# KiCad board F02-Func-Decoder-p.kicad_pcb
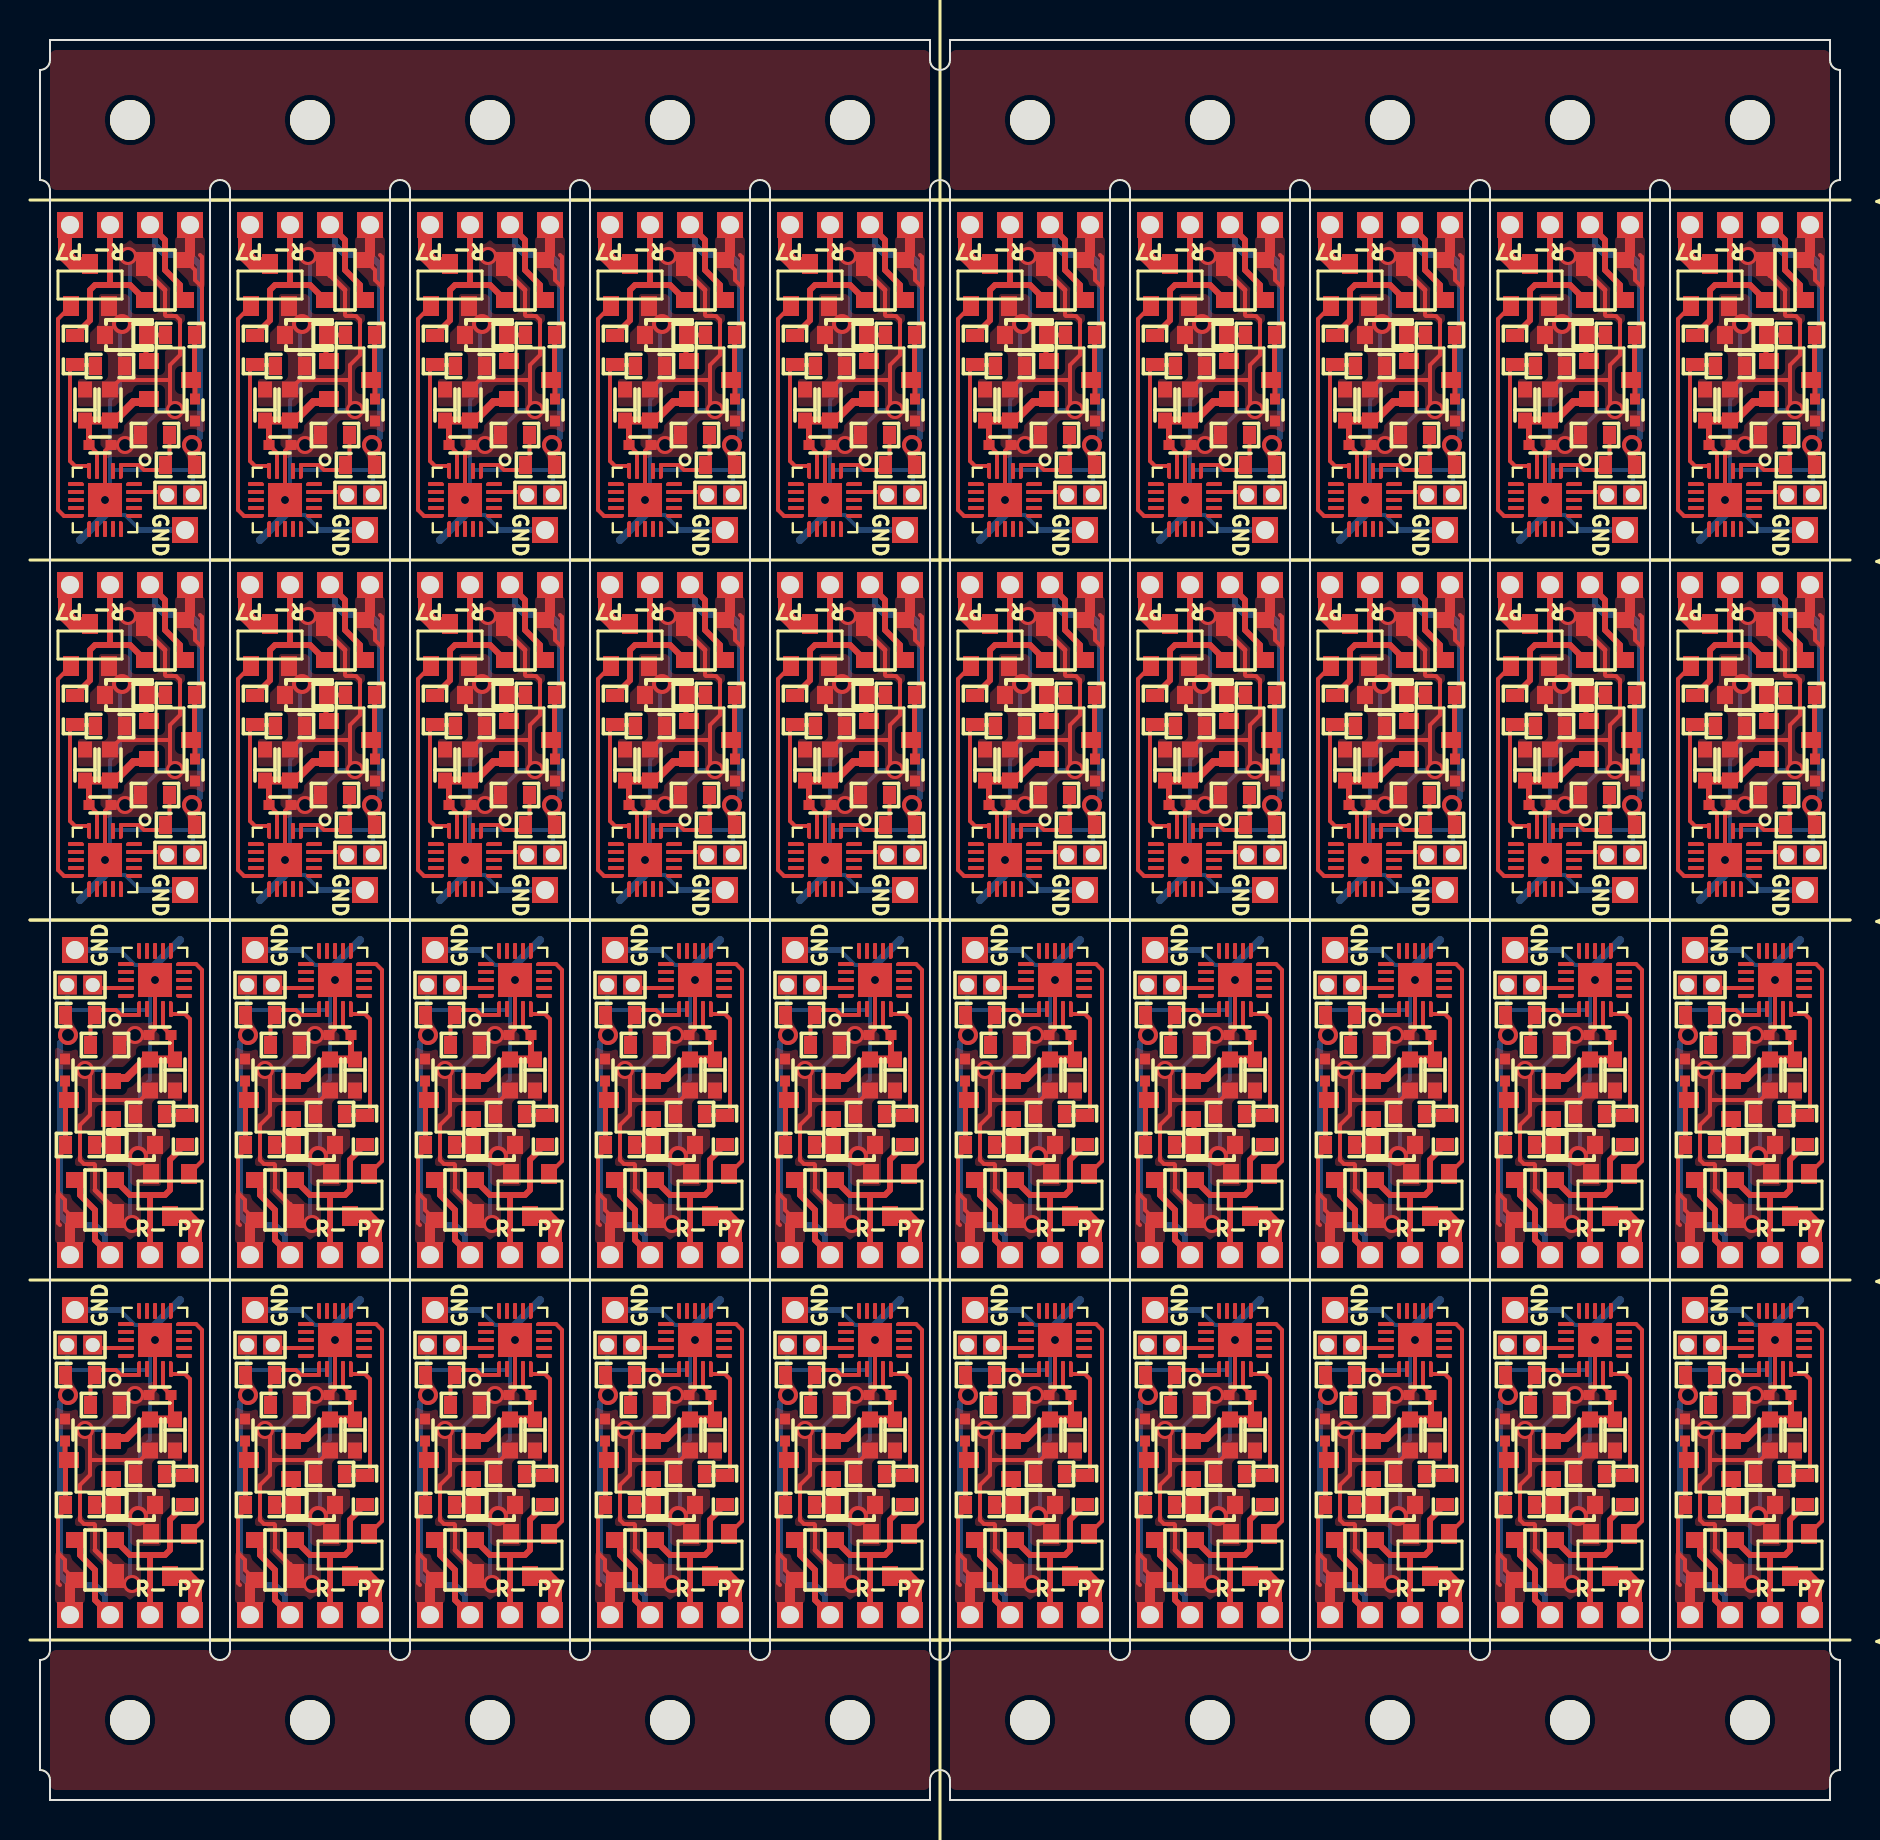
[diagram p0: board, top side]
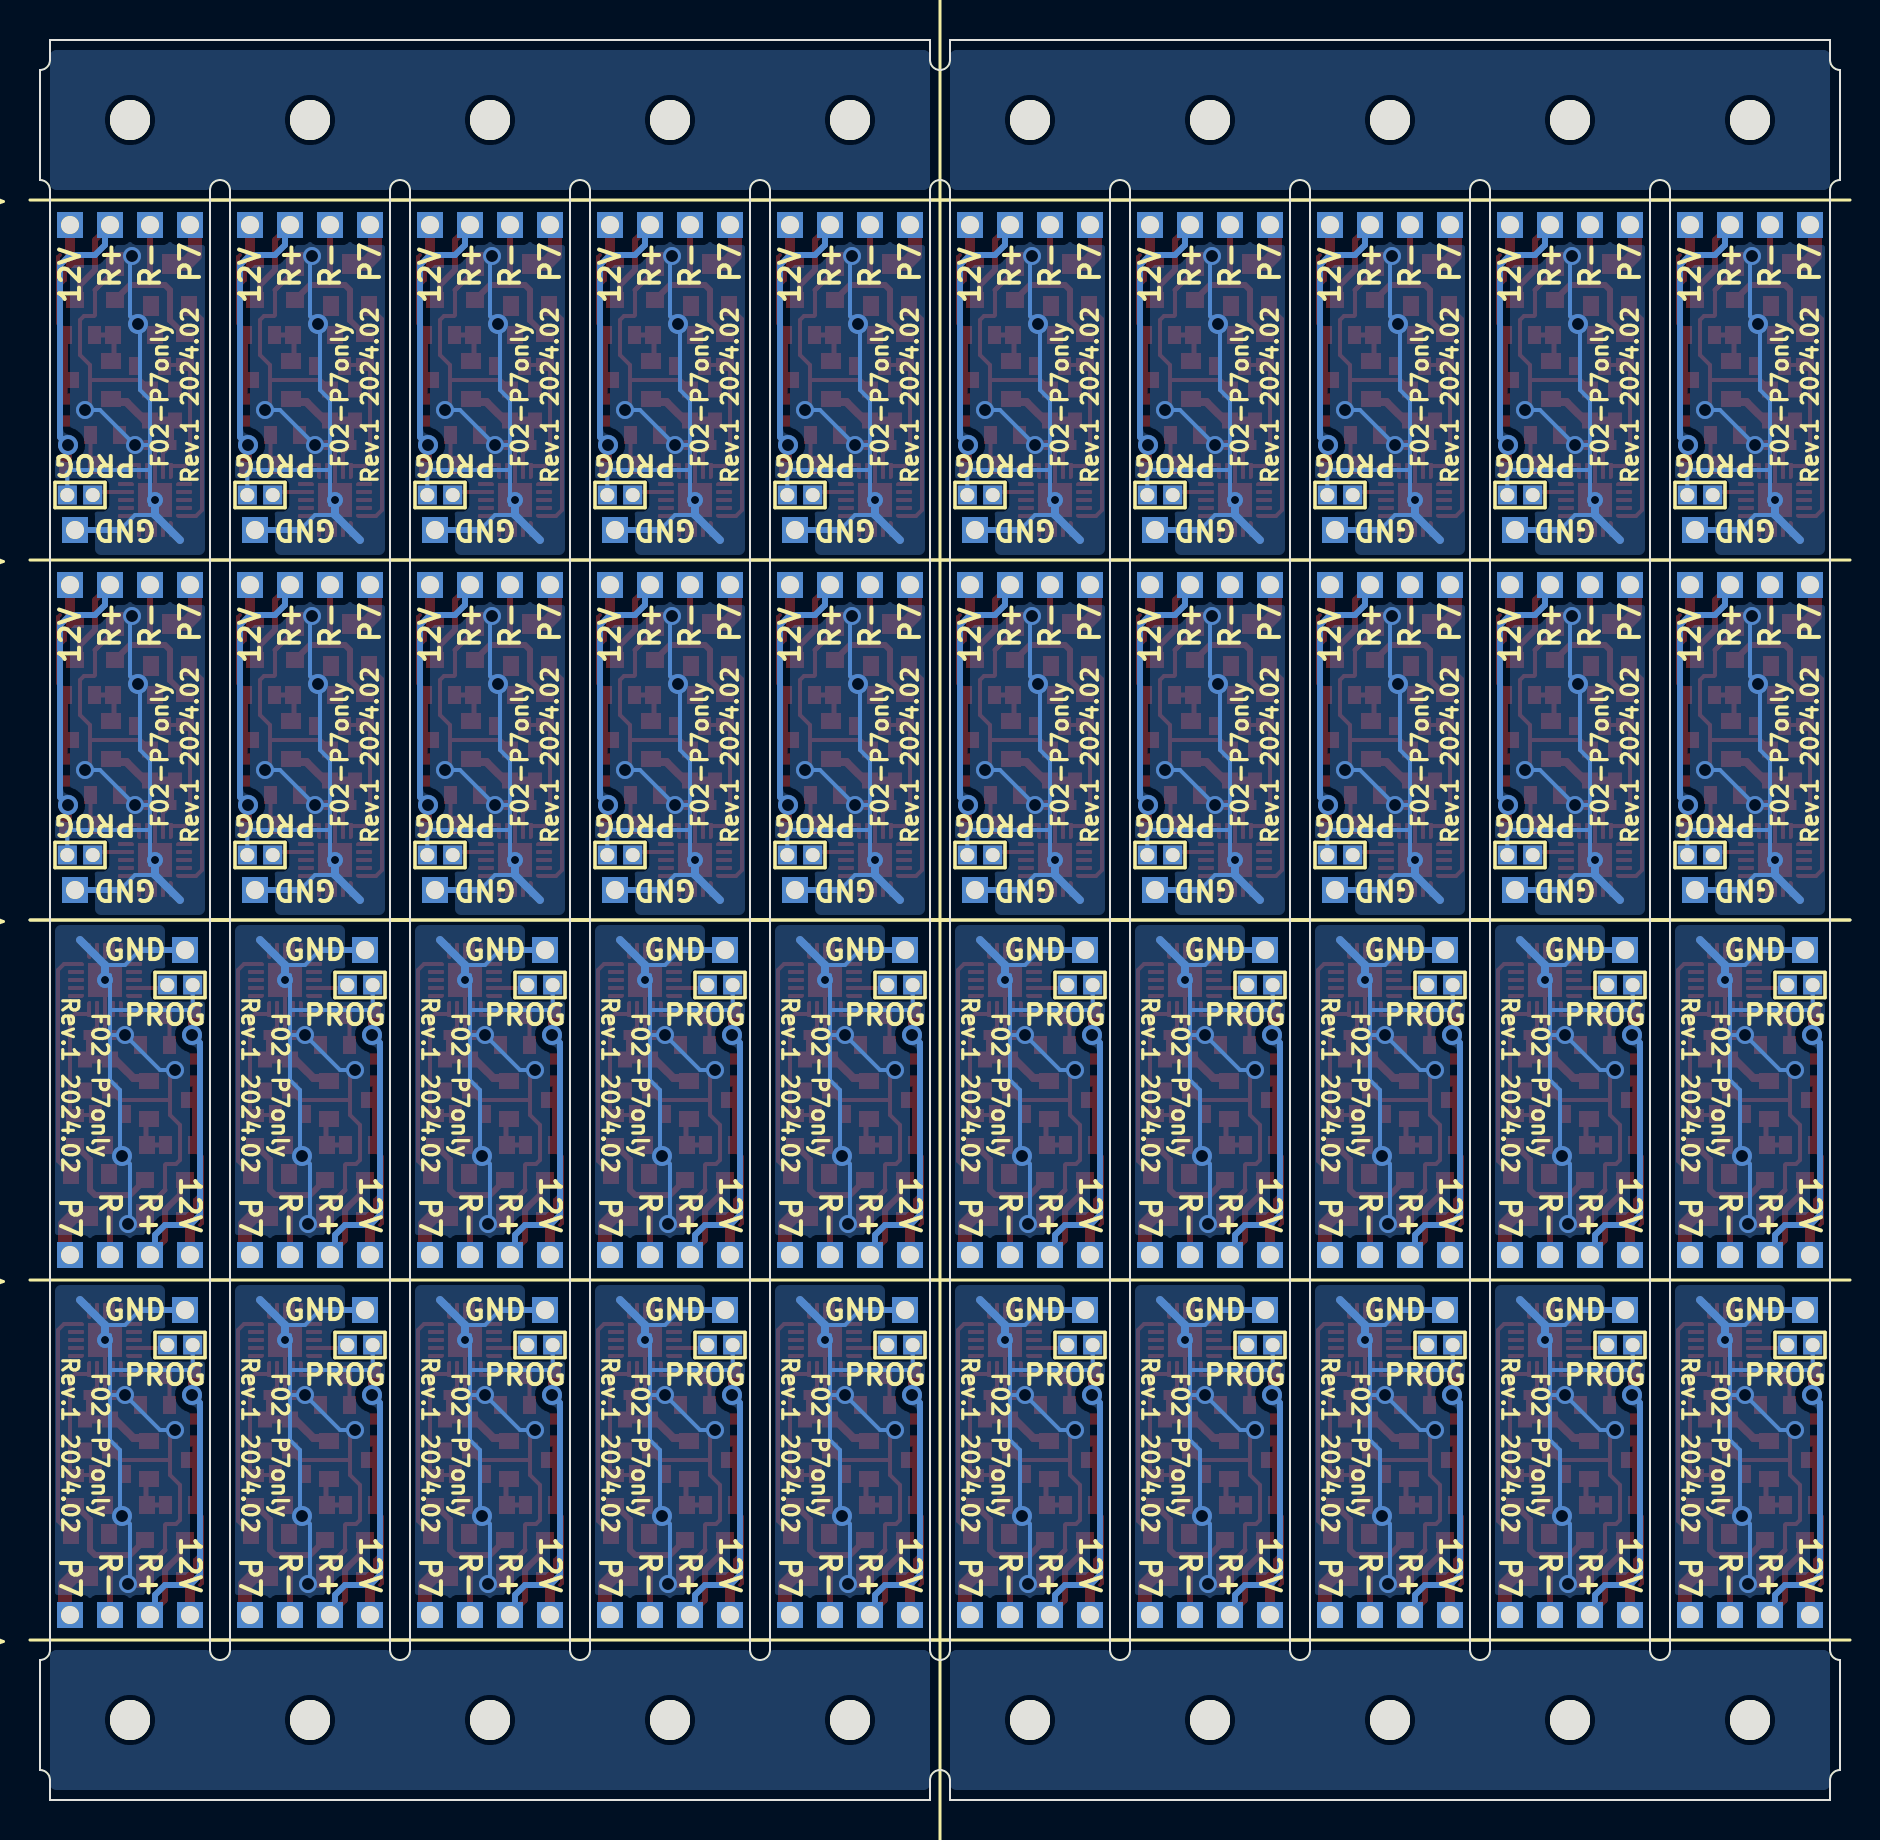
[diagram p1: board, bottom side, seen from below]

Outline 90 x 88 mm; copper layers: Top, Bottom. Coordinates in mm from the lower left corner of the outline.
Outline path: 0,81 0,86.5 arc(0.35,86.65) 0.5,87 0.5,88 44.5,88 44.5,87 arc(45,86.5) 45.5,87 45.5,88 89.5,88 89.5,87 arc(89.65,86.65) 90,86.5 90,81 arc(89.65,80.85) 89.5,80.5 89.5,7.5 arc(89.65,7.15) 90,7 90,1.5 arc(89.65,1.35) 89.5,1 89.5,0 45.5,0 45.5,1 arc(45,1.5) 44.5,1 44.5,0 0.5,0 0.5,1 arc(0.35,1.35) 0,1.5 0,7 arc(0.35,7.15) 0.5,7.5 0.5,80.5 arc(0.35,80.85) 0,81 ; 8.5,80.5 8.5,7.5 arc(9,7) 9.5,7.5 9.5,80.5 arc(9,81) 8.5,80.5 ; 17.5,80.5 17.5,7.5 arc(18,7) 18.5,7.5 18.5,80.5 arc(18,81) 17.5,80.5 ; 26.5,80.5 26.5,7.5 arc(27,7) 27.5,7.5 27.5,80.5 arc(27,81) 26.5,80.5 ; 35.5,80.5 35.5,7.5 arc(36,7) 36.5,7.5 36.5,80.5 arc(36,81) 35.5,80.5 ; 44.5,80.5 44.5,7.5 arc(45,7) 45.5,7.5 45.5,80.5 arc(45,81) 44.5,80.5 ; 53.5,80.5 53.5,7.5 arc(54,7) 54.5,7.5 54.5,80.5 arc(54,81) 53.5,80.5 ; 62.5,80.5 62.5,7.5 arc(63,7) 63.5,7.5 63.5,80.5 arc(63,81) 62.5,80.5 ; 71.5,80.5 71.5,7.5 arc(72,7) 72.5,7.5 72.5,80.5 arc(72,81) 71.5,80.5 ; 80.5,80.5 80.5,7.5 arc(81,7) 81.5,7.5 81.5,80.5 arc(81,81) 80.5,80.5
Stack: Top 0.035mm / dielectric 0.51mm FR4 er 4.5 / Bottom 0.035mm

## Placement (name value [footprint] x y rotation side)
C1  104  [C_1005_v2]  42 38.25 180 top
C1#2  104  [C_1005_v2]  30 67.75 0 top
C1#3  104  [C_1005_v2]  39 67.75 0 top
C1#4  104  [C_1005_v2]  60 20.25 180 top
C1#5  104  [C_1005_v2]  78 20.25 180 top
C1#6  104  [C_1005_v2]  24 38.25 180 top
C1#7  104  [C_1005_v2]  33 20.25 180 top
C1#8  104  [C_1005_v2]  51 38.25 180 top
C1#9  104  [C_1005_v2]  87 38.25 180 top
C1#10  104  [C_1005_v2]  48 49.75 0 top
C1#11  104  [C_1005_v2]  3 67.75 0 top
C1#12  104  [C_1005_v2]  42 20.25 180 top
C1#13  104  [C_1005_v2]  39 49.75 0 top
C1#14  104  [C_1005_v2]  15 38.25 180 top
C1#15  104  [C_1005_v2]  66 67.75 0 top
C1#16  104  [C_1005_v2]  84 49.75 0 top
C1#17  104  [C_1005_v2]  6 20.25 180 top
C1#18  104  [C_1005_v2]  75 67.75 0 top
C1#19  104  [C_1005_v2]  69 38.25 180 top
C1#20  104  [C_1005_v2]  33 38.25 180 top
C1#21  104  [C_1005_v2]  12 49.75 0 top
C1#22  104  [C_1005_v2]  57 67.75 0 top
C1#23  104  [C_1005_v2]  51 20.25 180 top
C1#24  104  [C_1005_v2]  48 67.75 0 top
C1#25  104  [C_1005_v2]  60 38.25 180 top
C1#26  104  [C_1005_v2]  21 67.75 0 top
C1#27  104  [C_1005_v2]  15 20.25 180 top
C1#28  104  [C_1005_v2]  30 49.75 0 top
C1#29  104  [C_1005_v2]  21 49.75 0 top
C1#30  104  [C_1005_v2]  24 20.25 180 top
C1#31  104  [C_1005_v2]  6 38.25 180 top
C1#32  104  [C_1005_v2]  84 67.75 0 top
C1#33  104  [C_1005_v2]  3 49.75 0 top
C1#34  104  [C_1005_v2]  69 20.25 180 top
C1#35  104  [C_1005_v2]  75 49.75 0 top
C1#36  104  [C_1005_v2]  57 49.75 0 top
C1#37  104  [C_1005_v2]  12 67.75 0 top
C1#38  104  [C_1005_v2]  87 20.25 180 top
C1#39  104  [C_1005_v2]  66 49.75 0 top
C1#40  104  [C_1005_v2]  78 38.25 180 top
C2  104  [C_1005_v2]  1.25 18.5 90 top
C2#2  104  [C_1005_v2]  61.75 51.5 270 top
C2#3  104  [C_1005_v2]  16.75 69.5 270 top
C2#4  104  [C_1005_v2]  37.25 36.5 90 top
C2#5  104  [C_1005_v2]  37.25 18.5 90 top
C2#6  104  [C_1005_v2]  34.75 69.5 270 top
C2#7  104  [C_1005_v2]  82.25 18.5 90 top
C2#8  104  [C_1005_v2]  16.75 51.5 270 top
C2#9  104  [C_1005_v2]  79.75 69.5 270 top
C2#10  104  [C_1005_v2]  46.25 18.5 90 top
C2#11  104  [C_1005_v2]  55.25 36.5 90 top
C2#12  104  [C_1005_v2]  43.75 69.5 270 top
C2#13  104  [C_1005_v2]  52.75 69.5 270 top
C2#14  104  [C_1005_v2]  7.75 69.5 270 top
C2#15  104  [C_1005_v2]  64.25 18.5 90 top
C2#16  104  [C_1005_v2]  64.25 36.5 90 top
C2#17  104  [C_1005_v2]  46.25 36.5 90 top
C2#18  104  [C_1005_v2]  28.25 18.5 90 top
C2#19  104  [C_1005_v2]  1.25 36.5 90 top
C2#20  104  [C_1005_v2]  52.75 51.5 270 top
C2#21  104  [C_1005_v2]  19.25 18.5 90 top
C2#22  104  [C_1005_v2]  55.25 18.5 90 top
C2#23  104  [C_1005_v2]  28.25 36.5 90 top
C2#24  104  [C_1005_v2]  25.75 51.5 270 top
C2#25  104  [C_1005_v2]  73.25 18.5 90 top
C2#26  104  [C_1005_v2]  19.25 36.5 90 top
C2#27  104  [C_1005_v2]  61.75 69.5 270 top
C2#28  104  [C_1005_v2]  10.25 18.5 90 top
C2#29  104  [C_1005_v2]  73.25 36.5 90 top
C2#30  104  [C_1005_v2]  25.75 69.5 270 top
C2#31  104  [C_1005_v2]  7.75 51.5 270 top
C2#32  104  [C_1005_v2]  43.75 51.5 270 top
C2#33  104  [C_1005_v2]  82.25 36.5 90 top
C2#34  104  [C_1005_v2]  88.75 51.5 270 top
C2#35  104  [C_1005_v2]  88.75 69.5 270 top
C2#36  104  [C_1005_v2]  70.75 51.5 270 top
C2#37  104  [C_1005_v2]  34.75 51.5 270 top
C2#38  104  [C_1005_v2]  70.75 69.5 270 top
C2#39  104  [C_1005_v2]  79.75 51.5 270 top
C2#40  104  [C_1005_v2]  10.25 36.5 90 top
C3  226  [C_1608]  23.5 18.25 270 top
C3#2  226  [C_1608]  66.5 69.75 90 top
C3#3  226  [C_1608]  21.5 51.75 90 top
C3#4  226  [C_1608]  57.5 51.75 90 top
C3#5  226  [C_1608]  32.5 18.25 270 top
C3#6  226  [C_1608]  48.5 69.75 90 top
C3#7  226  [C_1608]  14.5 36.25 270 top
C3#8  226  [C_1608]  77.5 18.25 270 top
C3#9  226  [C_1608]  39.5 51.75 90 top
C3#10  226  [C_1608]  68.5 36.25 270 top
C3#11  226  [C_1608]  5.5 18.25 270 top
C3#12  226  [C_1608]  68.5 18.25 270 top
C3#13  226  [C_1608]  3.5 69.75 90 top
C3#14  226  [C_1608]  86.5 36.25 270 top
C3#15  226  [C_1608]  48.5 51.75 90 top
C3#16  226  [C_1608]  75.5 69.75 90 top
C3#17  226  [C_1608]  23.5 36.25 270 top
C3#18  226  [C_1608]  84.5 69.75 90 top
C3#19  226  [C_1608]  50.5 18.25 270 top
C3#20  226  [C_1608]  59.5 18.25 270 top
C3#21  226  [C_1608]  12.5 69.75 90 top
C3#22  226  [C_1608]  21.5 69.75 90 top
C3#23  226  [C_1608]  12.5 51.75 90 top
C3#24  226  [C_1608]  66.5 51.75 90 top
C3#25  226  [C_1608]  30.5 69.75 90 top
C3#26  226  [C_1608]  86.5 18.25 270 top
C3#27  226  [C_1608]  41.5 36.25 270 top
C3#28  226  [C_1608]  50.5 36.25 270 top
C3#29  226  [C_1608]  39.5 69.75 90 top
C3#30  226  [C_1608]  14.5 18.25 270 top
C3#31  226  [C_1608]  30.5 51.75 90 top
C3#32  226  [C_1608]  5.5 36.25 270 top
C3#33  226  [C_1608]  75.5 51.75 90 top
C3#34  226  [C_1608]  77.5 36.25 270 top
C3#35  226  [C_1608]  57.5 69.75 90 top
C3#36  226  [C_1608]  3.5 51.75 90 top
C3#37  226  [C_1608]  41.5 18.25 270 top
C3#38  226  [C_1608]  84.5 51.75 90 top
C3#39  226  [C_1608]  32.5 36.25 270 top
C3#40  226  [C_1608]  59.5 36.25 270 top
C4  476  [CP_1608]  78.75 18.25 270 top
C4#2  476  [CP_1608]  15.75 18.25 270 top
C4#3  476  [CP_1608]  2.25 51.75 90 top
C4#4  476  [CP_1608]  51.75 18.25 270 top
C4#5  476  [CP_1608]  51.75 36.25 270 top
C4#6  476  [CP_1608]  74.25 69.75 90 top
C4#7  476  [CP_1608]  29.25 51.75 90 top
C4#8  476  [CP_1608]  78.75 36.25 270 top
C4#9  476  [CP_1608]  60.75 36.25 270 top
C4#10  476  [CP_1608]  87.75 36.25 270 top
C4#11  476  [CP_1608]  6.75 36.25 270 top
C4#12  476  [CP_1608]  69.75 18.25 270 top
C4#13  476  [CP_1608]  29.25 69.75 90 top
C4#14  476  [CP_1608]  83.25 69.75 90 top
C4#15  476  [CP_1608]  38.25 69.75 90 top
C4#16  476  [CP_1608]  87.75 18.25 270 top
C4#17  476  [CP_1608]  20.25 51.75 90 top
C4#18  476  [CP_1608]  11.25 51.75 90 top
C4#19  476  [CP_1608]  69.75 36.25 270 top
C4#20  476  [CP_1608]  42.75 36.25 270 top
C4#21  476  [CP_1608]  65.25 69.75 90 top
C4#22  476  [CP_1608]  56.25 69.75 90 top
C4#23  476  [CP_1608]  42.75 18.25 270 top
C4#24  476  [CP_1608]  20.25 69.75 90 top
C4#25  476  [CP_1608]  65.25 51.75 90 top
C4#26  476  [CP_1608]  47.25 69.75 90 top
C4#27  476  [CP_1608]  74.25 51.75 90 top
C4#28  476  [CP_1608]  83.25 51.75 90 top
C4#29  476  [CP_1608]  15.75 36.25 270 top
C4#30  476  [CP_1608]  33.75 36.25 270 top
C4#31  476  [CP_1608]  11.25 69.75 90 top
C4#32  476  [CP_1608]  2.25 69.75 90 top
C4#33  476  [CP_1608]  24.75 36.25 270 top
C4#34  476  [CP_1608]  47.25 51.75 90 top
C4#35  476  [CP_1608]  56.25 51.75 90 top
C4#36  476  [CP_1608]  24.75 18.25 270 top
C4#37  476  [CP_1608]  33.75 18.25 270 top
C4#38  476  [CP_1608]  60.75 18.25 270 top
C4#39  476  [CP_1608]  38.25 51.75 90 top
C4#40  476  [CP_1608]  6.75 18.25 270 top
D1  BAS3007  [SOT-143]  51.25 58 270 top
D1#2  BAS3007  [SOT-143]  11.75 30 90 top
D1#3  BAS3007  [SOT-143]  65.75 12 90 top
D1#4  BAS3007  [SOT-143]  47.75 12 90 top
D1#5  BAS3007  [SOT-143]  6.25 76 270 top
D1#6  BAS3007  [SOT-143]  78.25 58 270 top
D1#7  BAS3007  [SOT-143]  51.25 76 270 top
D1#8  BAS3007  [SOT-143]  83.75 12 90 top
D1#9  BAS3007  [SOT-143]  2.75 30 90 top
D1#10  BAS3007  [SOT-143]  38.75 12 90 top
D1#11  BAS3007  [SOT-143]  60.25 58 270 top
D1#12  BAS3007  [SOT-143]  65.75 30 90 top
D1#13  BAS3007  [SOT-143]  87.25 76 270 top
D1#14  BAS3007  [SOT-143]  42.25 76 270 top
D1#15  BAS3007  [SOT-143]  42.25 58 270 top
D1#16  BAS3007  [SOT-143]  74.75 30 90 top
D1#17  BAS3007  [SOT-143]  24.25 76 270 top
D1#18  BAS3007  [SOT-143]  56.75 30 90 top
D1#19  BAS3007  [SOT-143]  60.25 76 270 top
D1#20  BAS3007  [SOT-143]  33.25 58 270 top
D1#21  BAS3007  [SOT-143]  56.75 12 90 top
D1#22  BAS3007  [SOT-143]  24.25 58 270 top
D1#23  BAS3007  [SOT-143]  20.75 12 90 top
D1#24  BAS3007  [SOT-143]  15.25 58 270 top
D1#25  BAS3007  [SOT-143]  38.75 30 90 top
D1#26  BAS3007  [SOT-143]  74.75 12 90 top
D1#27  BAS3007  [SOT-143]  20.75 30 90 top
D1#28  BAS3007  [SOT-143]  87.25 58 270 top
D1#29  BAS3007  [SOT-143]  33.25 76 270 top
D1#30  BAS3007  [SOT-143]  11.75 12 90 top
D1#31  BAS3007  [SOT-143]  47.75 30 90 top
D1#32  BAS3007  [SOT-143]  15.25 76 270 top
D1#33  BAS3007  [SOT-143]  69.25 76 270 top
D1#34  BAS3007  [SOT-143]  29.75 30 90 top
D1#35  BAS3007  [SOT-143]  83.75 30 90 top
D1#36  BAS3007  [SOT-143]  69.25 58 270 top
D1#37  BAS3007  [SOT-143]  6.25 58 270 top
D1#38  BAS3007  [SOT-143]  29.75 12 90 top
D1#39  BAS3007  [SOT-143]  78.25 76 270 top
D1#40  BAS3007  [SOT-143]  2.75 12 90 top
D2  UDZV5.6B  [UMD2]  4.7 14.75 180 top
D2#2  UDZV5.6B  [UMD2]  13.3 73.25 0 top
D2#3  UDZV5.6B  [UMD2]  4.3 73.25 0 top
D2#4  UDZV5.6B  [UMD2]  13.7 32.75 180 top
D2#5  UDZV5.6B  [UMD2]  22.3 73.25 0 top
D2#6  UDZV5.6B  [UMD2]  49.3 55.25 0 top
D2#7  UDZV5.6B  [UMD2]  67.3 73.25 0 top
D2#8  UDZV5.6B  [UMD2]  49.7 32.75 180 top
D2#9  UDZV5.6B  [UMD2]  76.3 73.25 0 top
D2#10  UDZV5.6B  [UMD2]  76.3 55.25 0 top
D2#11  UDZV5.6B  [UMD2]  85.7 14.75 180 top
D2#12  UDZV5.6B  [UMD2]  49.3 73.25 0 top
D2#13  UDZV5.6B  [UMD2]  4.7 32.75 180 top
D2#14  UDZV5.6B  [UMD2]  58.3 55.25 0 top
D2#15  UDZV5.6B  [UMD2]  85.7 32.75 180 top
D2#16  UDZV5.6B  [UMD2]  58.7 32.75 180 top
D2#17  UDZV5.6B  [UMD2]  31.7 32.75 180 top
D2#18  UDZV5.6B  [UMD2]  76.7 14.75 180 top
D2#19  UDZV5.6B  [UMD2]  58.7 14.75 180 top
D2#20  UDZV5.6B  [UMD2]  40.3 55.25 0 top
D2#21  UDZV5.6B  [UMD2]  31.3 55.25 0 top
D2#22  UDZV5.6B  [UMD2]  49.7 14.75 180 top
D2#23  UDZV5.6B  [UMD2]  31.7 14.75 180 top
D2#24  UDZV5.6B  [UMD2]  67.3 55.25 0 top
D2#25  UDZV5.6B  [UMD2]  85.3 73.25 0 top
D2#26  UDZV5.6B  [UMD2]  13.7 14.75 180 top
D2#27  UDZV5.6B  [UMD2]  40.3 73.25 0 top
D2#28  UDZV5.6B  [UMD2]  67.7 32.75 180 top
D2#29  UDZV5.6B  [UMD2]  85.3 55.25 0 top
D2#30  UDZV5.6B  [UMD2]  31.3 73.25 0 top
D2#31  UDZV5.6B  [UMD2]  67.7 14.75 180 top
D2#32  UDZV5.6B  [UMD2]  58.3 73.25 0 top
D2#33  UDZV5.6B  [UMD2]  22.3 55.25 0 top
D2#34  UDZV5.6B  [UMD2]  22.7 32.75 180 top
D2#35  UDZV5.6B  [UMD2]  13.3 55.25 0 top
D2#36  UDZV5.6B  [UMD2]  40.7 32.75 180 top
D2#37  UDZV5.6B  [UMD2]  76.7 32.75 180 top
D2#38  UDZV5.6B  [UMD2]  40.7 14.75 180 top
D2#39  UDZV5.6B  [UMD2]  22.7 14.75 180 top
D2#40  UDZV5.6B  [UMD2]  4.3 55.25 0 top
J1  PAD  [PAD_1.3x1.3_Hole0.9]  16.5 9.25 270 top
J1#2  PAD  [PAD_1.3x1.3_Hole0.9]  52.5 27.25 270 top
J1#3  PAD  [PAD_1.3x1.3_Hole0.9]  55.5 78.75 90 top
J1#4  PAD  [PAD_1.3x1.3_Hole0.9]  70.5 9.25 270 top
J1#5  PAD  [PAD_1.3x1.3_Hole0.9]  34.5 27.25 270 top
J1#6  PAD  [PAD_1.3x1.3_Hole0.9]  19.5 78.75 90 top
J1#7  PAD  [PAD_1.3x1.3_Hole0.9]  73.5 60.75 90 top
J1#8  PAD  [PAD_1.3x1.3_Hole0.9]  37.5 60.75 90 top
J1#9  PAD  [PAD_1.3x1.3_Hole0.9]  88.5 9.25 270 top
J1#10  PAD  [PAD_1.3x1.3_Hole0.9]  55.5 60.75 90 top
J1#11  PAD  [PAD_1.3x1.3_Hole0.9]  82.5 60.75 90 top
J1#12  PAD  [PAD_1.3x1.3_Hole0.9]  10.5 78.75 90 top
J1#13  PAD  [PAD_1.3x1.3_Hole0.9]  25.5 9.25 270 top
J1#14  PAD  [PAD_1.3x1.3_Hole0.9]  1.5 60.75 90 top
J1#15  PAD  [PAD_1.3x1.3_Hole0.9]  64.5 78.75 90 top
J1#16  PAD  [PAD_1.3x1.3_Hole0.9]  73.5 78.75 90 top
J1#17  PAD  [PAD_1.3x1.3_Hole0.9]  16.5 27.25 270 top
J1#18  PAD  [PAD_1.3x1.3_Hole0.9]  70.5 27.25 270 top
J1#19  PAD  [PAD_1.3x1.3_Hole0.9]  7.5 9.25 270 top
J1#20  PAD  [PAD_1.3x1.3_Hole0.9]  28.5 60.75 90 top
J1#21  PAD  [PAD_1.3x1.3_Hole0.9]  37.5 78.75 90 top
J1#22  PAD  [PAD_1.3x1.3_Hole0.9]  61.5 27.25 270 top
J1#23  PAD  [PAD_1.3x1.3_Hole0.9]  46.5 78.75 90 top
J1#24  PAD  [PAD_1.3x1.3_Hole0.9]  43.5 9.25 270 top
J1#25  PAD  [PAD_1.3x1.3_Hole0.9]  25.5 27.25 270 top
J1#26  PAD  [PAD_1.3x1.3_Hole0.9]  88.5 27.25 270 top
J1#27  PAD  [PAD_1.3x1.3_Hole0.9]  79.5 27.25 270 top
J1#28  PAD  [PAD_1.3x1.3_Hole0.9]  28.5 78.75 90 top
J1#29  PAD  [PAD_1.3x1.3_Hole0.9]  7.5 27.25 270 top
J1#30  PAD  [PAD_1.3x1.3_Hole0.9]  43.5 27.25 270 top
J1#31  PAD  [PAD_1.3x1.3_Hole0.9]  82.5 78.75 90 top
J1#32  PAD  [PAD_1.3x1.3_Hole0.9]  46.5 60.75 90 top
J1#33  PAD  [PAD_1.3x1.3_Hole0.9]  61.5 9.25 270 top
J1#34  PAD  [PAD_1.3x1.3_Hole0.9]  52.5 9.25 270 top
J1#35  PAD  [PAD_1.3x1.3_Hole0.9]  10.5 60.75 90 top
J1#36  PAD  [PAD_1.3x1.3_Hole0.9]  64.5 60.75 90 top
J1#37  PAD  [PAD_1.3x1.3_Hole0.9]  1.5 78.75 90 top
J1#38  PAD  [PAD_1.3x1.3_Hole0.9]  79.5 9.25 270 top
J1#39  PAD  [PAD_1.3x1.3_Hole0.9]  34.5 9.25 270 top
J1#40  PAD  [PAD_1.3x1.3_Hole0.9]  19.5 60.75 90 top
P1  PAD  [PAD_1.3x1.3_Hole0.9]  77.5 60.75 90 top
P1#2  PAD  [PAD_1.3x1.3_Hole0.9]  66.5 9.25 270 top
P1#3  PAD  [PAD_1.3x1.3_Hole0.9]  50.5 78.75 90 top
P1#4  PAD  [PAD_1.3x1.3_Hole0.9]  66.5 27.25 270 top
P1#5  PAD  [PAD_1.3x1.3_Hole0.9]  3.5 27.25 270 top
P1#6  PAD  [PAD_1.3x1.3_Hole0.9]  32.5 78.75 90 top
P1#7  PAD  [PAD_1.3x1.3_Hole0.9]  21.5 9.25 270 top
P1#8  PAD  [PAD_1.3x1.3_Hole0.9]  68.5 78.75 90 top
P1#9  PAD  [PAD_1.3x1.3_Hole0.9]  41.5 60.75 90 top
P1#10  PAD  [PAD_1.3x1.3_Hole0.9]  48.5 27.25 270 top
P1#11  PAD  [PAD_1.3x1.3_Hole0.9]  12.5 27.25 270 top
P1#12  PAD  [PAD_1.3x1.3_Hole0.9]  21.5 27.25 270 top
P1#13  PAD  [PAD_1.3x1.3_Hole0.9]  84.5 9.25 270 top
P1#14  PAD  [PAD_1.3x1.3_Hole0.9]  5.5 60.75 90 top
P1#15  PAD  [PAD_1.3x1.3_Hole0.9]  23.5 60.75 90 top
P1#16  PAD  [PAD_1.3x1.3_Hole0.9]  57.5 27.25 270 top
P1#17  PAD  [PAD_1.3x1.3_Hole0.9]  57.5 9.25 270 top
P1#18  PAD  [PAD_1.3x1.3_Hole0.9]  3.5 9.25 270 top
P1#19  PAD  [PAD_1.3x1.3_Hole0.9]  48.5 9.25 270 top
P1#20  PAD  [PAD_1.3x1.3_Hole0.9]  84.5 27.25 270 top
P1#21  PAD  [PAD_1.3x1.3_Hole0.9]  14.5 78.75 90 top
P1#22  PAD  [PAD_1.3x1.3_Hole0.9]  86.5 60.75 90 top
P1#23  PAD  [PAD_1.3x1.3_Hole0.9]  75.5 9.25 270 top
P1#24  PAD  [PAD_1.3x1.3_Hole0.9]  68.5 60.75 90 top
P1#25  PAD  [PAD_1.3x1.3_Hole0.9]  30.5 9.25 270 top
P1#26  PAD  [PAD_1.3x1.3_Hole0.9]  14.5 60.75 90 top
P1#27  PAD  [PAD_1.3x1.3_Hole0.9]  5.5 78.75 90 top
P1#28  PAD  [PAD_1.3x1.3_Hole0.9]  39.5 27.25 270 top
P1#29  PAD  [PAD_1.3x1.3_Hole0.9]  86.5 78.75 90 top
P1#30  PAD  [PAD_1.3x1.3_Hole0.9]  39.5 9.25 270 top
P1#31  PAD  [PAD_1.3x1.3_Hole0.9]  59.5 78.75 90 top
P1#32  PAD  [PAD_1.3x1.3_Hole0.9]  50.5 60.75 90 top
P1#33  PAD  [PAD_1.3x1.3_Hole0.9]  75.5 27.25 270 top
P1#34  PAD  [PAD_1.3x1.3_Hole0.9]  23.5 78.75 90 top
P1#35  PAD  [PAD_1.3x1.3_Hole0.9]  12.5 9.25 270 top
P1#36  PAD  [PAD_1.3x1.3_Hole0.9]  77.5 78.75 90 top
P1#37  PAD  [PAD_1.3x1.3_Hole0.9]  41.5 78.75 90 top
P1#38  PAD  [PAD_1.3x1.3_Hole0.9]  32.5 60.75 90 top
P1#39  PAD  [PAD_1.3x1.3_Hole0.9]  59.5 60.75 90 top
P1#40  PAD  [PAD_1.3x1.3_Hole0.9]  30.5 27.25 270 top
P2  PAD  [PAD_1.3x1.3_Hole0.9]  41.5 27.25 270 top
P2#2  PAD  [PAD_1.3x1.3_Hole0.9]  3.5 60.75 90 top
P2#3  PAD  [PAD_1.3x1.3_Hole0.9]  77.5 9.25 270 top
P2#4  PAD  [PAD_1.3x1.3_Hole0.9]  59.5 27.25 270 top
P2#5  PAD  [PAD_1.3x1.3_Hole0.9]  86.5 9.25 270 top
P2#6  PAD  [PAD_1.3x1.3_Hole0.9]  14.5 9.25 270 top
P2#7  PAD  [PAD_1.3x1.3_Hole0.9]  59.5 9.25 270 top
P2#8  PAD  [PAD_1.3x1.3_Hole0.9]  50.5 27.25 270 top
P2#9  PAD  [PAD_1.3x1.3_Hole0.9]  86.5 27.25 270 top
P2#10  PAD  [PAD_1.3x1.3_Hole0.9]  14.5 27.25 270 top
P2#11  PAD  [PAD_1.3x1.3_Hole0.9]  77.5 27.25 270 top
P2#12  PAD  [PAD_1.3x1.3_Hole0.9]  21.5 60.75 90 top
P2#13  PAD  [PAD_1.3x1.3_Hole0.9]  23.5 9.25 270 top
P2#14  PAD  [PAD_1.3x1.3_Hole0.9]  5.5 9.25 270 top
P2#15  PAD  [PAD_1.3x1.3_Hole0.9]  21.5 78.75 90 top
P2#16  PAD  [PAD_1.3x1.3_Hole0.9]  23.5 27.25 270 top
P2#17  PAD  [PAD_1.3x1.3_Hole0.9]  39.5 60.75 90 top
P2#18  PAD  [PAD_1.3x1.3_Hole0.9]  68.5 9.25 270 top
P2#19  PAD  [PAD_1.3x1.3_Hole0.9]  68.5 27.25 270 top
P2#20  PAD  [PAD_1.3x1.3_Hole0.9]  30.5 78.75 90 top
P2#21  PAD  [PAD_1.3x1.3_Hole0.9]  66.5 60.75 90 top
P2#22  PAD  [PAD_1.3x1.3_Hole0.9]  30.5 60.75 90 top
P2#23  PAD  [PAD_1.3x1.3_Hole0.9]  48.5 60.75 90 top
P2#24  PAD  [PAD_1.3x1.3_Hole0.9]  32.5 27.25 270 top
P2#25  PAD  [PAD_1.3x1.3_Hole0.9]  5.5 27.25 270 top
P2#26  PAD  [PAD_1.3x1.3_Hole0.9]  84.5 60.75 90 top
P2#27  PAD  [PAD_1.3x1.3_Hole0.9]  41.5 9.25 270 top
P2#28  PAD  [PAD_1.3x1.3_Hole0.9]  12.5 78.75 90 top
P2#29  PAD  [PAD_1.3x1.3_Hole0.9]  32.5 9.25 270 top
P2#30  PAD  [PAD_1.3x1.3_Hole0.9]  3.5 78.75 90 top
P2#31  PAD  [PAD_1.3x1.3_Hole0.9]  84.5 78.75 90 top
P2#32  PAD  [PAD_1.3x1.3_Hole0.9]  12.5 60.75 90 top
P2#33  PAD  [PAD_1.3x1.3_Hole0.9]  39.5 78.75 90 top
P2#34  PAD  [PAD_1.3x1.3_Hole0.9]  66.5 78.75 90 top
P2#35  PAD  [PAD_1.3x1.3_Hole0.9]  57.5 60.75 90 top
P2#36  PAD  [PAD_1.3x1.3_Hole0.9]  50.5 9.25 270 top
P2#37  PAD  [PAD_1.3x1.3_Hole0.9]  75.5 60.75 90 top
P2#38  PAD  [PAD_1.3x1.3_Hole0.9]  57.5 78.75 90 top
P2#39  PAD  [PAD_1.3x1.3_Hole0.9]  48.5 78.75 90 top
P2#40  PAD  [PAD_1.3x1.3_Hole0.9]  75.5 78.75 90 top
P3  PAD  [PAD_1.3x1.3_Hole0.9]  16.5 78.75 90 top
P3#2  PAD  [PAD_1.3x1.3_Hole0.9]  52.5 60.75 90 top
P3#3  PAD  [PAD_1.3x1.3_Hole0.9]  64.5 27.25 270 top
P3#4  PAD  [PAD_1.3x1.3_Hole0.9]  43.5 78.75 90 top
P3#5  PAD  [PAD_1.3x1.3_Hole0.9]  28.5 27.25 270 top
P3#6  PAD  [PAD_1.3x1.3_Hole0.9]  79.5 78.75 90 top
P3#7  PAD  [PAD_1.3x1.3_Hole0.9]  37.5 27.25 270 top
P3#8  PAD  [PAD_1.3x1.3_Hole0.9]  37.5 9.25 270 top
P3#9  PAD  [PAD_1.3x1.3_Hole0.9]  79.5 60.75 90 top
P3#10  PAD  [PAD_1.3x1.3_Hole0.9]  10.5 27.25 270 top
P3#11  PAD  [PAD_1.3x1.3_Hole0.9]  10.5 9.25 270 top
P3#12  PAD  [PAD_1.3x1.3_Hole0.9]  28.5 9.25 270 top
P3#13  PAD  [PAD_1.3x1.3_Hole0.9]  43.5 60.75 90 top
P3#14  PAD  [PAD_1.3x1.3_Hole0.9]  7.5 78.75 90 top
P3#15  PAD  [PAD_1.3x1.3_Hole0.9]  70.5 60.75 90 top
P3#16  PAD  [PAD_1.3x1.3_Hole0.9]  16.5 60.75 90 top
P3#17  PAD  [PAD_1.3x1.3_Hole0.9]  46.5 27.25 270 top
P3#18  PAD  [PAD_1.3x1.3_Hole0.9]  34.5 60.75 90 top
P3#19  PAD  [PAD_1.3x1.3_Hole0.9]  82.5 27.25 270 top
P3#20  PAD  [PAD_1.3x1.3_Hole0.9]  82.5 9.25 270 top
P3#21  PAD  [PAD_1.3x1.3_Hole0.9]  7.5 60.75 90 top
P3#22  PAD  [PAD_1.3x1.3_Hole0.9]  73.5 27.25 270 top